# KiCad board HPM6P41_BB.kicad_pcb (continued)
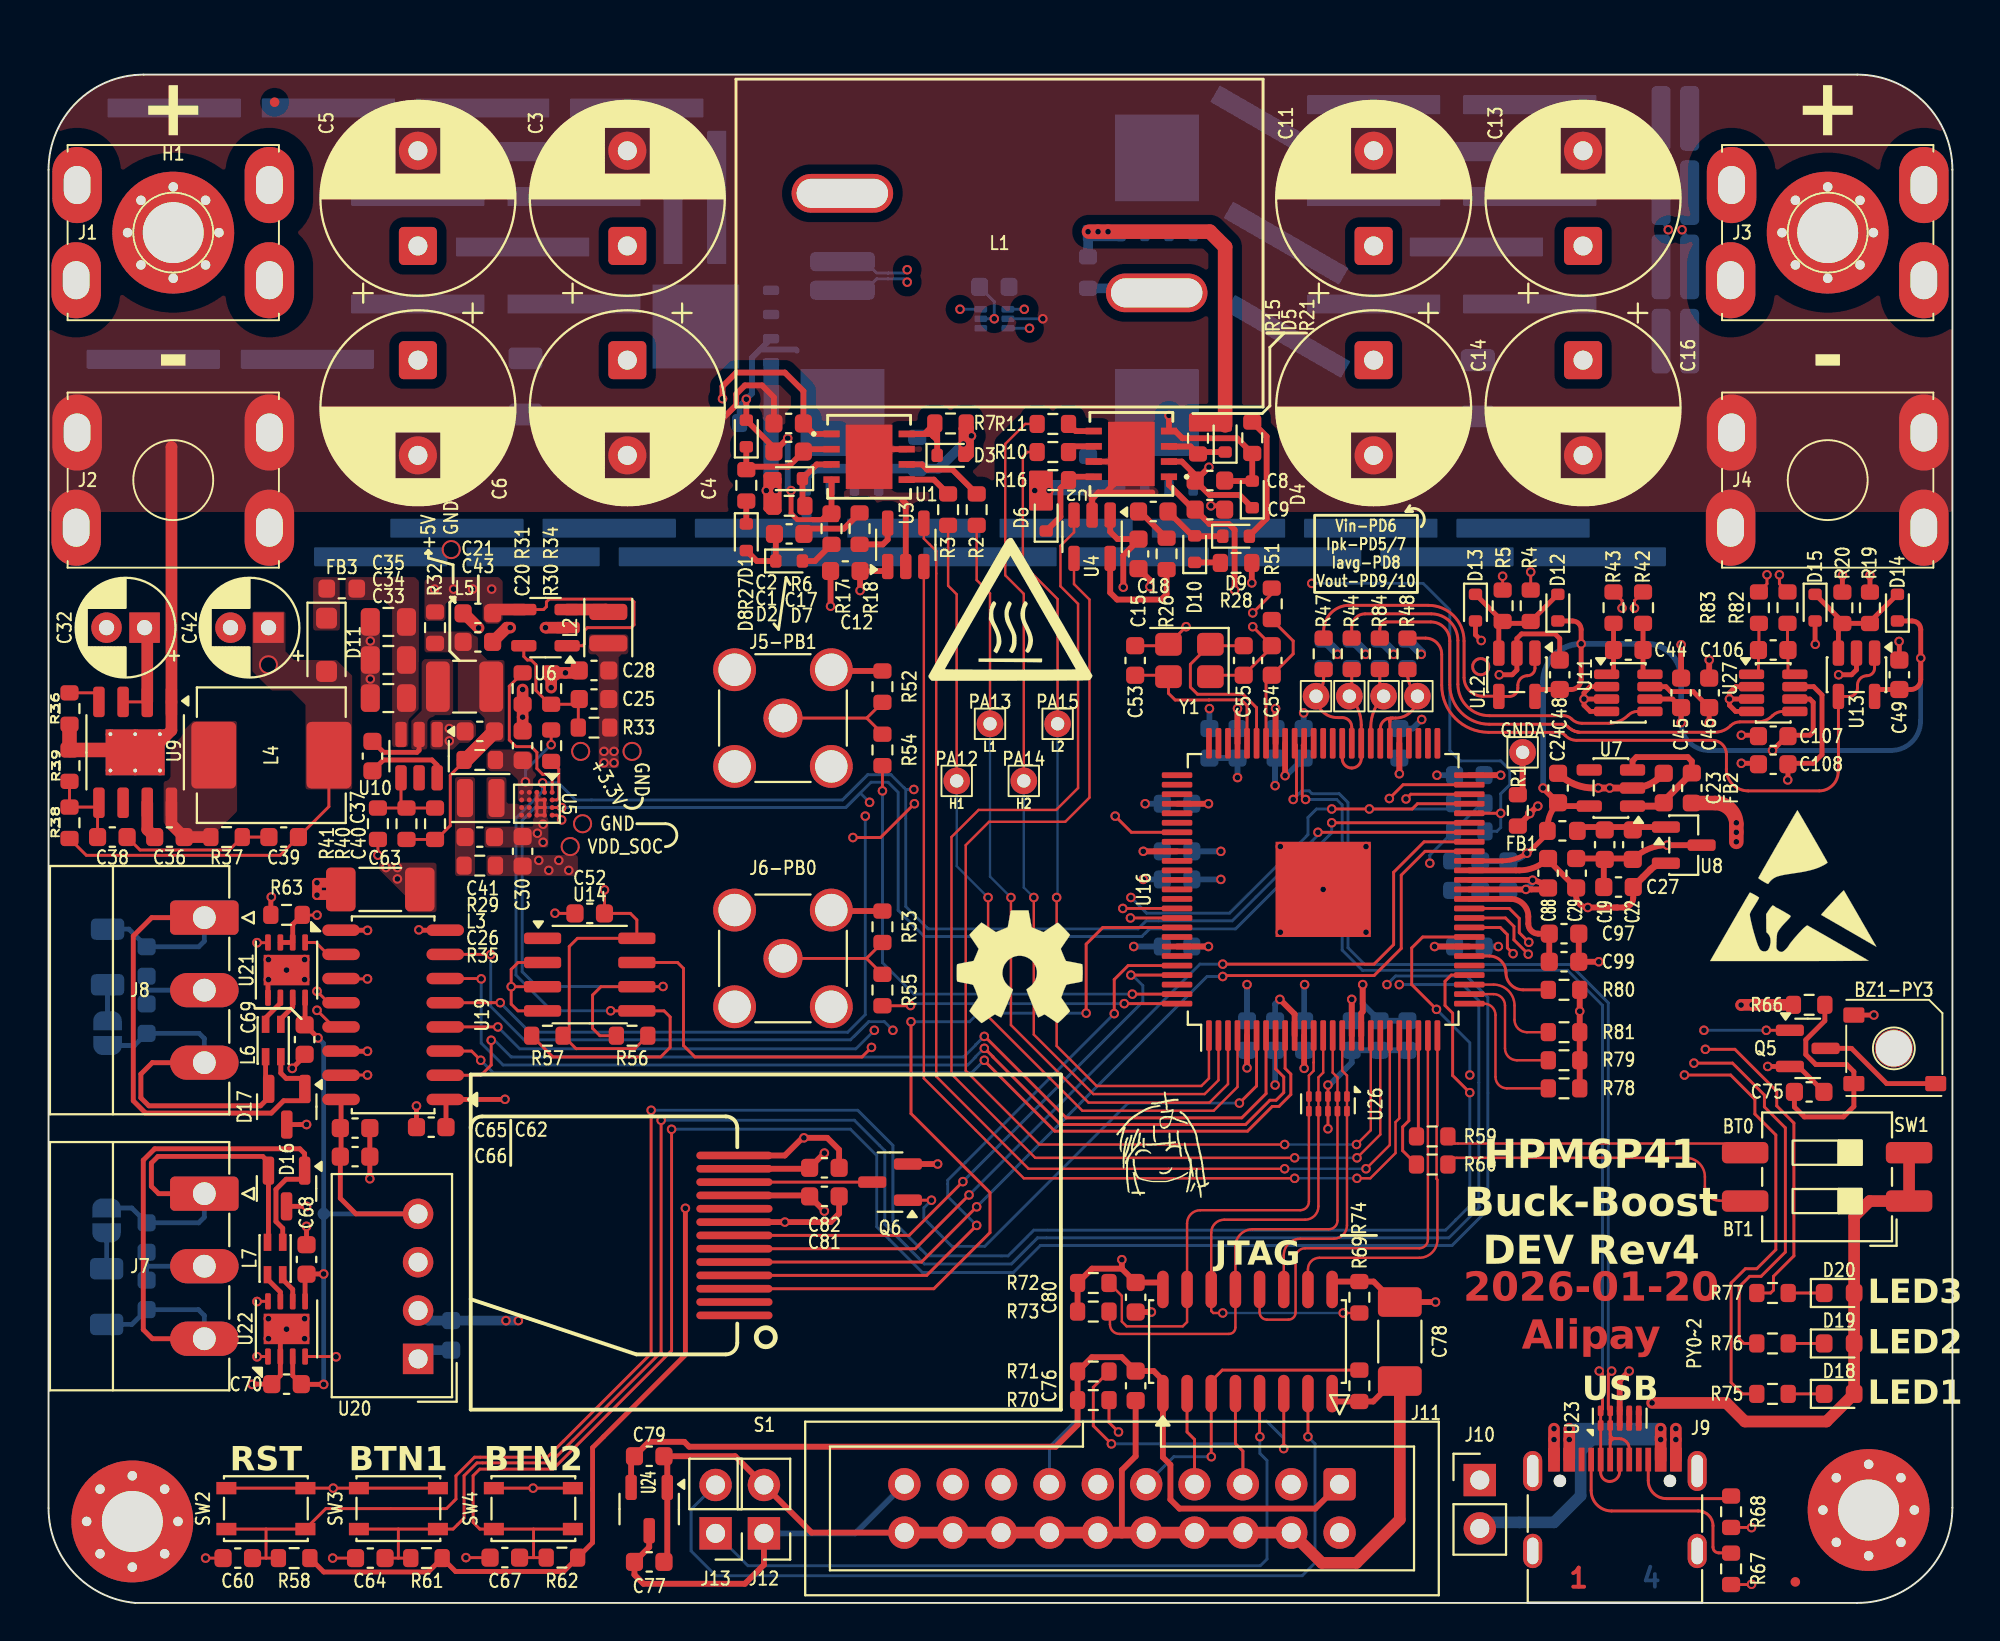
[diagram p0: board, top side]
## Library data of the parts
BZ1-PY3 = -: Description: Buzzer, polarized; ki_fp_filters: *Buzzer*
C1 C2 C8 C9 C12 C15 C17 C18 C25 C33-C41 C43 C52 C57 C60-C62 C64-C76 C80 = -: ki_fp_filters: C_*
C3-C6 C11 C13 C14 C16 C32 C42 = -: ki_fp_filters: CP_*
C7 C10 = -: Datasheet: https://item.szlcsc.com/90812.html?fromZone=s_s__%25221206%252010uF%2522&spm=sc.gb.xh3.zy.n___sc.ols.hd.ss&lcsc_vid=EwRcVFxfQ1UNUlxUFlcKAVVURlQMUgEHFFIPVlIDRgcxVlNSQVBfUlJSTlhWXjsOAxUeFF5JWA4cAwEUWRIUCwcVFE8NCAlJGgQDBQEUWA4cAwEUWA0HFBBIHxUDCw%3D%3D; Description: C89632; 型号: CL31B106KBHNNNE; ki_fp_filters: C_*
C19 C22-C24 C27 C29 C44-C51 C53-C56 C77 C79 C81-C88 C90-C109 = -: Description: Unpolarized capacitor; ki_fp_filters: C_*
C20 C21 C26 C28 C30 = -: Datasheet: C6119868; ki_fp_filters: C_*
C63 C78 = -: Datasheet: https://file.elecfans.com/web2/M00/22/AF/poYBAGGoaTeAQmH1AAyzIp8aHB4719.pdf; Description: Safety Capacitors 1808 1nF ±10% 250V; Manufacturer: IHHEC; Grade: X1,Y2; MFG: IHHEC; MFR Package Code: 1808; Mount: 表面贴装; Operating Temperature: -55 °C; Tolerance: 10 %; packaging: 1000pcs; ki_fp_filters: C_*
D1 D4 = -: Datasheet: https://assets.nexperia.com/documents/data-sheet/BZV55_SER.pdf; Description: 9.1V, 500mW, 2%, Zener diode, MiniMELF; ki_fp_filters: D*MiniMELF*
D2 D3 D5-D10 = -: Datasheet: C3013756; Sim.Device: D; Sim.Pins: 1=K 2=A; ki_fp_filters: TO-???* *_Diode_* *SingleDiode* D_*
D11 = -: Datasheet: https://datasheet.octopart.com/1N4148WF-Lite-On-datasheet-149134326.pdf; Description: SOD-123F Diode, Small Signal, Fast Switching, 75V, 150mA, 4ns, Alternate KiCad Library; ki_fp_filters: TO-???* *_Diode_* *SingleDiode* D_*
D12-D15 = -: Datasheet: https://www.vishay.com/docs/85751/1n4148ws.pdf; Description: 75V 0.15A Fast switching Diode, SOD-323; Sim.Device: D; Sim.Pins: 1=K 2=A; ki_fp_filters: D*SOD?323*
D16 D17 = -: Datasheet: https://www.onsemi.com/pub_link/Collateral/NUP2105L-D.PDF; Description: Dual Line CAN Bus Protector, 24Vrwm; ki_fp_filters: SOT?23*
D18-D20 = -: ki_fp_filters: LED* LED_SMD:* LED_THT:*
FB1-FB3 = -: Description: Ferrite bead; ki_fp_filters: Inductor_* L_* *Ferrite*
FID1 FID2 = -: Description: Fiducial Marker; ki_fp_filters: Fiducial*
GNDA PA12-PA15 TP5 TP7-TP9 = -: Description: test point (alternative probe-style design); ki_fp_filters: Pin* Test*
H1-H4 = -: Description: Mounting Hole with connection; ki_fp_filters: MountingHole*Pad*
J1-J4 = -: Description: Generic connector, single row, 01x01, script generated (kicad-library-utils/schlib/autogen/connector/); ki_fp_filters: Connector*:*_1x??_*
J5-PB1 J6-PB0 = -: Description: small coaxial connector (BNC, SMA, SMB, SMC, Cinch/RCA, LEMO, ...); ki_fp_filters: *BNC* *SMA* *SMB* *SMC* *Cinch* *LEMO* *UMRF* *MCX* *U.FL*
J7 J8 = -: Description: Generic connector, single row, 01x03, script generated (kicad-library-utils/schlib/autogen/connector/); ki_fp_filters: Connector*:*_1x??_*
J9 = -: Datasheet: https://www.usb.org/sites/default/files/documents/usb_type-c.zip; Description: USB 2.0-only 16P Type-C Receptacle connector; ki_fp_filters: USB*C*Receptacle*
J10 J12 J13 = -: Description: Generic connector, single row, 01x02, script generated; ki_fp_filters: Connector*:*_1x??_*
J11 = -: ki_fp_filters: IDC*Header*P2.54mm* PinHeader*2x10*P2.54mm*
JP1 JP2 = -: Description: Solder Jumper, 2-pole, open; ki_fp_filters: SolderJumper*Open*
L1 = -: Datasheet: https://item.taobao.com/item.htm?abbucket=7&detail_redpacket_pop=true&id=720155544714&ltk2=1751571040185qxfzaik8tl8w9ga4al65t&ns=1&priceTId=2150461f17515710174581004e1998&query=%E6%89%81%E7%BA%BF%E7%94%B5%E6%84%9F&skuId=5020784061930&spm=a21n57.1.hoverItem.5&utparam=%7B%22aplus_abtest%22%3A%22408e17028328a63eae2f146e62d6c52f%22%7D&xxc=taobaoSearch; Description: 羰基粉电感 2.2uH 48A; ki_fp_filters: Choke_* *Coil* Inductor_* L_*
L2 L3 = -: Description: Inductor; ki_fp_filters: Choke_* *Coil* Inductor_* L_*
L4 = -: Datasheet: EPC0650-680M   饱和3A，温升1.7A; Description: 羰基粉电感; ki_fp_filters: Choke_* *Coil* Inductor_* L_*
L5 = -: ki_fp_filters: Choke_* *Coil* Inductor_* L_*
L6 L7 = -: Company: TDK
Q1-Q4 = -: Datasheet: http://www.ti.com/lit/gpn/csd18540q5b; Description: 100A Id, 60V Vds, NexFET N-Channel Power MOSFET, 2.2mOhm Ron, 41nC Qg(typ), SON8 5x6mm; ki_fp_filters: TDSON*
Q5 Q6 = -: Datasheet: http://www.aosmd.com/pdfs/datasheet/AO3400A.pdf; Description: 30V Vds, 5.7A Id, N-Channel MOSFET, SOT-23; ki_fp_filters: SOT?23*
R1-R3 R6-R16 R22-R25 R29 R32-R44 R47-R50 R56-R58 R61-R63 R66-R68 R75-R77 R82-R84 = -: ki_fp_filters: R_*
R4 R5 R17-R21 R26-R28 R30 R31 R51 R64 R65 = -: Description: Resistor; ki_fp_filters: R_*
R52-R55 R59 R60 = -: Model: 0402WGF1001TCE; Company: UNI-ROYAL(厚声); ki_fp_filters: R_*
R69-R74 R78-R81 = -: Model: 0402WGF1002TCE; Company: UNI-ROYAL(厚声); ki_fp_filters: R_*
SW1 = -: Model: DM-02-V; Company: 圜达
SW2-SW4 = -: Description: Common 6mmx6mm Push Button
U1 U2 = -: ki_fp_filters: DRM8_3P38X2P45_TEX
U3 U4 = -: Datasheet: https://www.ti.com.cn/cn/lit/ds/symlink/ucc27519.pdf?ts=1747047529320&ref_url=https%253A%252F%252Fwww.ti.com.cn%252Fproduct%252Fcn%252FUCC27519; Description: Single-Channel High-Speed Low-Side Gate Driver With 4-A Peak Source and 8-A Peak Sink, SOT-23-6; ki_fp_filters: SOT?23*
U5 = -: Description: 功能类型:降压型;同步整流:-;输出通道数:-;拓扑结构:-;输入电压:-;输出电流(最大值):-;开关频率:-;; Mpn: SYR838PKC; Manufacturer: Silergy; Input Voltage: 5.5 V; Mount: SMT
U7 = -: Datasheet: http://www.ti.com/lit/ds/symlink/lp5907.pdf; Description: 250-mA Ultra-Low-Noise Low-IQ LDO, 3.3V, SOT-23; ki_fp_filters: SOT?23*
U8 = -: Datasheet: http://www.ti.com/lit/ds/symlink/ref3033.pdf; Description: 3.0V 50-ppm/°C Max, 50-μA, CMOS Voltage Reference, SOT-23-3; ki_fp_filters: SOT?23*
U9 = -: Datasheet: https://www.ti.com/lit/ds/symlink/lm5164.pdf?ts=1598311864250&ref_url=https%253A%252F%252Fwww.ti.com%252Fproduct%252FLM5164%253FHQS%253DTI-null-null-octopart-df-pf-null-wwe; ki_fp_filters: HSOP*1EP*3.9x4.9*P1.27mm*
U10 = -: Datasheet: http://www.ti.com/lit/ds/symlink/tps54302.pdf; ki_fp_filters: SOT?23*
U11 U27 = -: Datasheet: https://www.ti.com/lit/ds/symlink/ina241b.pdf; Description: High- and Low-Side, Bidirectional, Zero-Drift, Current-Sense Amplifier With Enhanced PWM Rejection, 20V/V, ±0.01% Gain Accuracy, ±10 μV Offset Voltage, SOT-23-8; ki_fp_filters: SOT?23*
U12 U13 = -: Datasheet: http://www.ti.com/lit/ds/symlink/opa188.pdf; Description: Zero-Drift, Precision, Low-Noise, Rail-to-Rail Output, 36-V Operational Amplifier, TSOT-23-5; ki_fp_filters: TSOT*23*
U14 = -: Datasheet: http://ww1.microchip.com/downloads/en/DeviceDoc/Atmel-8766-SEEPROM-AT24CS04-08-Datasheet.pdf; Description: I2C Serial EEPROM, 4Kb (512x8) with Unique Serial Number, SO8; ki_fp_filters: SOIC*3.9x4.9mm*P1.27mm*
U15 = -: Datasheet: https://www.ti.com/lit/ds/symlink/tmp112.pdf; Description: Digital Temperature Sensor with I2C/SMBus/Two-wire Interface, 12 bits, ±1°C, one-shot conversion, alert, nist traceable, SOT-563; ki_fp_filters: SOT?563*
U16 = -: Description: eLQFP100
U19 U25 = -: Description: 应用:-;隔离技术:-;是否带电压隔离:-;; Manufacturer: CHIPANALOG
U20 = -: Datasheet: https://www.tracopower.com/products/tme.pdf; Description: 1W DC/DC converter unregulated, 4.5-5.5V input, 5V output voltage, 200mA output, 1kVDC isolation, SIP-4; ki_fp_filters: Converter*DCDC*TRACO*TME*03xxS*05xxS*12xxS*Single*
U21 = -: Datasheet: http://www.icbase.com/pdf/SPX/SPX00480106.pdf; Description: Industrial 3.3V Low Power Half-Duplex RS-485 Transceiver 10Mbps, SOIC-8; ki_fp_filters: SOIC*3.9x4.9mm*P1.27mm*
U22 = -: Datasheet: http://www.nxp.com/docs/en/data-sheet/TJA1049.pdf; Description: High-Speed CAN Transceiver, separate VIO, standby mode, SOIC-8; ki_fp_filters: SOIC*3.9x4.9mm*P1.27mm*
U23 U26 = -: Datasheet: https://www.ti.com/lit/ds/symlink/tpd4e05u06.pdf; Description: 4-Channel ESD Protection for Super-Speed USB 3.0 Interface, USON-10; ki_fp_filters: USON*2.5x1.0mm*P0.5mm*
U24 = -: Datasheet: https://www.torexsemi.com/file/xc6206/XC6206.pdf; Description: Positive 60-250mA Low Dropout Regulator, Fixed Output, SOT-23; ki_fp_filters: SOT?23?3*
Y1 = -: Datasheet: https://item.szlcsc.com/365641.html?spm=sc.ols.yqj.it1-1&lcsc_vid=EwRcVFxfQ1UNUlxUFlcKAVVURlQMUgEHFFIPVlIDRgcxVlNSQVBfUlJSTlhWXjsOAxUeFF5JWA4cAwEUWRIUCwcVFE8NCAlJGgQDBQEUWA4cAwEUWA0HFBBIHxUDCw%3D%3D; Description: C389789; ki_fp_filters: Crystal*

## Footprints (pads in the part's own frame, mm; a bottom-side part is the same pattern mirrored in y, then rotated)
7x1mm_导流条
  rrect 7x1 smd: 1(0,0)
48A_Connector_PCB_3
  oval 4x2.6 hole 2x1.4: 1(-2.5,5.05) 1(-2.5,-5.05) 1(2.5,5.05) 1(2.5,-5.1)
Buzzer_5020_MetalHole
  rrect 0.8x1.1 smd: 1(1.85,-2.1) 2(1.85,2.2) 3(-1.75,-2.1)
  round 2 hole 1.9: 3(0,0)
BXXXXS-1W隔离电源
  rect 1.6x1.6 hole 1: 1(0,0)
  round 1.6 hole 1: 2(0,-2.54) 3(0,-5.08) 4(0,-7.62)
C_0603_1608Metric
  rrect 0.9x0.95 smd: 1(-0.775,0) 2(0.775,0)
C_0805_2012Metric
  rrect 1x1.45 smd: 1(-0.95,0) 2(0.95,0)
C_1206_3216Metric
  rrect 1.15x1.8 smd: 1(-1.475,0) 2(1.475,0)
C_1808_4520Metric
  rrect 1.55x2.3 smd: 1(-2.075,0) 2(2.075,0)
CA-IS3762HN
  oval 0.602x1.971 smd: 1(-4.445,-2.736) 2(-3.175,-2.736) 3(-1.905,-2.736) 4(-0.635,-2.736) 5(0.635,-2.736) 6(1.905,-2.736) 7(3.175,-2.736) 8(4.445,-2.736) 9(4.445,2.736) 10(3.175,2.736) 11(1.905,2.736) 12(0.635,2.736) 13(-0.635,2.736) 14(-1.905,2.736) 15(-3.175,2.736) 16(-4.445,2.736)
CP_Radial_D5.0mm_P2.00mm
  rect 1.6x1.6 hole 0.8: 1(0,0)
  round 1.6 hole 0.8: 2(2,0)
CP_Radial_D10.0mm_P5.00mm
  rrect 2x2 hole 1: 1(0,0)
  round 2 hole 1: 2(5,0)
Crystal_SMD_3225-4Pin_3.2x2.5mm
  rrect 1.4x1.2 smd: 1(-1.1,-0.85) 2(1.1,-0.85) 3(1.1,0.85) 4(-1.1,0.85)
D_SOD-123F
  rrect 1.1x1.1 smd: 1(-1.4,0) 2(1.4,0)
D_SOD-523
  rrect 0.6x0.7 smd: 1(-0.7,0) 2(0.7,0)
DRM8_3P38X2P45_TEX
  rect 0.85x0.35 smd: 1(-1.975,1.2) 2(-1.975,0.4) 3(-1.975,-0.4) 4(-1.975,-1.2) 5(1.975,-1.2) 6(1.975,-0.4) 7(1.975,0.4) 8(1.975,1.2)
  rect 2.45x3.38 smd: 9(0,0)
Fiducial_0.5mm_Mask1mm
  round 0.5 smd: (0,0)
HSOP-8-1EP_3.9x4.9mm_P1.27mm_EP2.41x3.1mm_ThermalVias
  rrect 0.97x1.25 smd: (-0.6,0.775) (-0.6,-0.775) (0.6,0.775) (0.6,-0.775)
  rrect 1.6x0.6 smd: 1(-2.65,1.905) 2(-2.65,0.635) 3(-2.65,-0.635) 4(-2.65,-1.905) 5(2.65,-1.905) 6(2.65,-0.635) 7(2.65,0.635) 8(2.65,1.905)
  round 0.5 hole 0.2: 9(-0.955,1.3) 9(-0.955,0) 9(-0.955,-1.3) 9(0.955,1.3) 9(0.955,0) 9(0.955,-1.3)
  rect 2.41x3.1 smd: 9(0,0)
  rect 2.41x3.1 smd far side: 9(0,0)
HVSON-8-1EP_3x3mm_P0.65mm_EP1.6x2.4mm
  rrect 0.64x0.97 smd: (-0.4,0.6) (-0.4,-0.6) (0.4,0.6) (0.4,-0.6)
  rrect 0.85x0.3 smd: 1(-1.45,0.975) 2(-1.45,0.325) 3(-1.45,-0.325) 4(-1.45,-0.975) 5(1.45,-0.975) 6(1.45,-0.325) 7(1.45,0.325) 8(1.45,0.975)
  rect 1.6x2.4 smd: 9(0,0)
IDC-Header_2x10_P2.54mm_Vertical
  rrect 1.7x1.7 hole 1: 1(0,0)
  round 1.7 hole 1: 2(2.54,0) 3(0,-2.54) 4(2.54,-2.54) 5(0,-5.08) 6(2.54,-5.08) 7(0,-7.62) 8(2.54,-7.62) 9(0,-10.16) 10(2.54,-10.16) 11(0,-12.7) 12(2.54,-12.7) 13(0,-15.24) 14(2.54,-15.24) 15(0,-17.78) 16(2.54,-17.78) 17(0,-20.32) 18(2.54,-20.32) 19(0,-22.86) 20(2.54,-22.86)
IND_VER2923_COC
  oval 5.334x2.032 hole 4.8x1.524: 1(-8.255,2.615) 2(8.255,-2.615)
L_0603_1608Metric
  rrect 0.875x0.95 smd: 1(-0.787,0) 2(0.787,0)
L_1210_3225Metric
  rrect 1.25x2.65 smd: 1(-1.4,0) 2(1.4,0)
L_Changjiang_FNR252012S
  rrect 0.85x2 smd: 1(-0.825,0) 2(0.825,0)
L_Chilisin_BMRB00060650
  rrect 2.35x3.5 smd: 1(-3.025,0) 2(3.025,0)
LCSC_SW_SPST_PTS810
  rect 1.05x0.65 smd: 1(-2.075,1.075) 1(2.075,1.075) 2(-2.075,-1.075) 2(2.075,-1.075)
LED_0603_1608Metric
  rrect 0.875x0.95 smd: 1(-0.788,0) 2(0.788,0)
LQFP-100_14x14mm_P0.5mm_EP5.0x5.0mm
  rrect 1.13x1.13 smd: (-1.7,0) (-1.7,1.7) (-1.7,-1.7) (0,1.7) (0,0) (0,-1.7) (1.7,1.7) (1.7,-1.7) (1.7,0)
  rrect 1.6x0.3 smd: 1(-7.675,6) 2(-7.675,5.5) 3(-7.675,5) 4(-7.675,4.5) 5(-7.675,4) 6(-7.675,3.5) 7(-7.675,3) 8(-7.675,2.5) 9(-7.675,2) 10(-7.675,1.5) 11(-7.675,1) 12(-7.675,0.5) 13(-7.675,0) 14(-7.675,-0.5) 15(-7.675,-1) 16(-7.675,-1.5) 17(-7.675,-2) 18(-7.675,-2.5) 19(-7.675,-3) 20(-7.675,-3.5) 21(-7.675,-4) 22(-7.675,-4.5) 23(-7.675,-5) 24(-7.675,-5.5) 25(-7.675,-6) 51(7.675,-6) 52(7.675,-5.5) 53(7.675,-5) 54(7.675,-4.5) 55(7.675,-4) 56(7.675,-3.5) 57(7.675,-3) 58(7.675,-2.5) 59(7.675,-2) 60(7.675,-1.5) 61(7.675,-1) 62(7.675,-0.5) 63(7.675,0) 64(7.675,0.5) 65(7.675,1) 66(7.675,1.5) 67(7.675,2) 68(7.675,2.5) 69(7.675,3) 70(7.675,3.5) 71(7.675,4) 72(7.675,4.5) 73(7.675,5) 74(7.675,5.5) 75(7.675,6)
  rrect 0.3x1.6 smd: 26(-6,-7.675) 27(-5.5,-7.675) 28(-5,-7.675) 29(-4.5,-7.675) 30(-4,-7.675) 31(-3.5,-7.675) 32(-3,-7.675) 33(-2.5,-7.675) 34(-2,-7.675) 35(-1.5,-7.675) 36(-1,-7.675) 37(-0.5,-7.675) 38(0,-7.675) 39(0.5,-7.675) 40(1,-7.675) 41(1.5,-7.675) 42(2,-7.675) 43(2.5,-7.675) 44(3,-7.675) 45(3.5,-7.675) 46(4,-7.675) 47(4.5,-7.675) 48(5,-7.675) 49(5.5,-7.675) 50(6,-7.675) 76(6,7.675) 77(5.5,7.675) 78(5,7.675) 79(4.5,7.675) 80(4,7.675) 81(3.5,7.675) 82(3,7.675) 83(2.5,7.675) 84(2,7.675) 85(1.5,7.675) 86(1,7.675) 87(0.5,7.675) 88(0,7.675) 89(-0.5,7.675) 90(-1,7.675) 91(-1.5,7.675) 92(-2,7.675) 93(-2.5,7.675) 94(-3,7.675) 95(-3.5,7.675) 96(-4,7.675) 97(-4.5,7.675) 98(-5,7.675) 99(-5.5,7.675) 100(-6,7.675)
  rect 5x5 smd: 101(0,0)
MountingHole_3.2mm_M3_Pad_Via
  round 0.8 hole 0.5: 1(-2.4,0) 1(-1.697,1.697) 1(-1.697,-1.697) 1(0,2.4) 1(0,-2.4) 1(1.697,1.697) 1(1.697,-1.697) 1(2.4,0)
  round 6.4 hole 3.2: 1(0,0)
PhoenixContact_MC_1,5_3-G-3.81_1x03_P3.81mm_Horizontal
  rrect 1.8x3.6 hole 1.2: 1(0,0)
  oval 1.8x3.6 hole 1.2: 2(3.81,0) 3(7.62,0)
PinHeader_1x02_P2.54mm_Vertical
  rect 1.7x1.7 hole 1: 1(0,0)
  round 1.7 hole 1: 2(0,-2.54)
R_0603_1608Metric
  rrect 0.8x0.95 smd: 1(-0.825,0) 2(0.825,0)
R_0612_1632Metric
  rrect 1x3.4 smd: 1(-0.75,0) 2(0.75,0)
R_1206_3216Metric
  rrect 1.125x1.75 smd: 1(-1.462,0) 2(1.462,0)
SDCW2012-2-900TF
  rect 0.9x0.4 smd: 1(-0.85,-0.4) 2(-0.85,0.4) 3(0.85,0.4) 4(0.85,-0.4)
SMA_Amphenol_901-144_Vertical
  round 2.05 hole 1.5: 1(0,0)
  round 2.25 hole 1.7: 2(-2.54,2.54) 2(-2.54,-2.54) 2(2.54,2.54) 2(2.54,-2.54)
SOIC-8_3.9x4.9mm_P1.27mm
  rrect 1.95x0.6 smd: 1(-2.475,1.905) 2(-2.475,0.635) 3(-2.475,-0.635) 4(-2.475,-1.905) 5(2.475,-1.905) 6(2.475,-0.635) 7(2.475,0.635) 8(2.475,1.905)
SolderJumper-2_P1.3mm_Open_RoundedPad1.0x1.5mm
  custom 1x1.5 smd: 1(-0.65,0) 2(0.65,0)
SOT-23
  rrect 1.475x0.6 smd: 1(-0.938,0.95) 2(-0.938,-0.95) 3(0.938,0)
SOT-23-3
  rrect 1.325x0.6 smd: 1(-1.137,0.95) 2(-1.137,-0.95) 3(1.137,0)
SOT-23-5
  rrect 1.325x0.6 smd: 1(-1.137,0.95) 2(-1.137,0) 3(-1.137,-0.95) 4(1.137,-0.95) 5(1.137,0.95)
SOT-23-6
  rrect 1.325x0.6 smd: 1(-1.137,0.95) 2(-1.137,0) 3(-1.137,-0.95) 4(1.137,-0.95) 5(1.137,0) 6(1.137,0.95)
SOT-23-8
  rrect 1.325x0.5 smd: 1(-1.137,0.975) 2(-1.137,0.325) 3(-1.137,-0.325) 4(-1.137,-0.975) 5(1.137,-0.975) 6(1.137,-0.325) 7(1.137,0.325) 8(1.137,0.975)
SOT-563
  rrect 0.675x0.35 smd: 1(-0.713,0.5) 2(-0.713,0) 3(-0.713,-0.5) 4(0.713,-0.5) 5(0.713,0) 6(0.713,0.5)
SW_DIP_SPSTx02_Slide_6.7x6.64mm_W8.61mm_P2.54mm_LowProfile
  rrect 2.44x1.12 smd: 1(-4.305,1.27) 2(-4.305,-1.27) 3(4.305,-1.27) 4(4.305,1.27)
SYR838PKC
  round 0.26 smd: A1(-0.8,-0.6) A2(-0.8,-0.2) A3(-0.8,0.2) A4(-0.8,0.6) B1(-0.4,-0.6) B2(-0.4,-0.2) B3(-0.4,0.2) B4(-0.4,0.6) C1(0,-0.6) C2(0,-0.2) C3(0,0.2) C4(0,0.6) D1(0.4,-0.6) D2(0.4,-0.2) D3(0.4,0.2) D4(0.4,0.6) E1(0.8,-0.6) E2(0.8,-0.2) E3(0.8,0.2) E4(0.8,0.6)
TDSON-8-1
  rrect 1.5x1.5 smd: (-0.2,-0.85) (-0.2,0.85) (1.5,-0.85) (1.5,0.85)
  custom 4.55x4.41 smd: (0.65,0)
  rrect 0.75x0.5 smd: (2.905,-1.905) (2.905,-0.635) (2.905,0.635) (2.905,1.905)
  rrect 0.85x0.5 smd: 1(-2.9,1.905) 2(-2.9,0.635) 3(-2.9,-0.635) 4(-2.9,-1.905)
  rect 4.55x4.41 smd: 5(1.05,0)
TSOT-23-5
  rrect 1.325x0.6 smd: 1(-1.137,0.95) 2(-1.137,0) 3(-1.137,-0.95) 4(1.137,-0.95) 5(1.137,0.95)
USB_C_16P_On_Board
  round 0.65 hole 0.65 unplated: (-2.89,2.605) (2.89,2.605)
  rect 0.6x1.24 smd: A1(-3.2,3.725) A4(-2.4,3.725) A9(2.4,3.725) A12(3.2,3.725) B1(3.2,3.725) B4(2.4,3.725) B9(-2.4,3.725) B12(-3.2,3.725)
  rect 0.3x1.24 smd: A5(-1.25,3.725) A6(-0.25,3.725) A7(0.25,3.725) A8(1.25,3.725) B5(1.75,3.725) B6(0.75,3.725) B7(-0.75,3.725) B8(-1.75,3.725)
  oval 1x2.1 hole 0.6x1.7: S1(-4.32,3.125) S1(4.32,3.125)
  oval 1x1.8 hole 0.6x1.4: S1(-4.32,-1.075) S1(4.32,-1.075)
USON-10_2.5x1.0mm_P0.5mm
  rrect 0.55x0.3 smd: 1(-0.385,1) 2(-0.385,0.5) 3(-0.385,0) 4(-0.385,-0.5) 5(-0.385,-1) 6(0.385,-1) 7(0.385,-0.5) 8(0.385,0) 9(0.385,0.5) 10(0.385,1)
测试点
  round 1.4 hole 0.7: 1(0,0)
焊接式_TFT_1.14_135X240_13PIN
  oval 4x0.399 smd: 1(-1.65,-3.85) 2(-1.65,-3.15) 3(-1.65,-2.451) 4(-1.65,-1.75) 5(-1.65,-1.049) 6(-1.65,-0.35) 7(-1.65,0.35) 8(-1.65,1.049) 9(-1.65,1.75) 10(-1.65,2.451) 11(-1.65,3.15) 12(-1.65,3.85) 13(-1.65,4.549)

## Nets
5V_OUT: C40.1 C41.1 C43.1 L5.2 R29.1 R32.1 R40.1
+3.3V: C25.1 C28.1 C52.2 C56.1 C57.2 C62.2 C80.2 C81.1 C82.1 C83.1 C101.1 C102.1 C103.1 C104.1 C105.1 D18.2 D19.2 D20.2 L2.1 R33.1 R49.2 R50.2 R56.2 R57.2 R58.1 R61.1 R62.1 R72.1 R73.1 S1.10 S1.12 SW1.1 SW1.2 U14.8 U15.5 U16.10 U16.16 U16.32 U16.55 U16.67 U16.79 U16.94 U19.1 U25.16
+5V: C21.1 C61.1 FB2.1 J10.1 R32.2 R51.2 R66.1 U6.1 U6.4 U20.2
+5VC: C65.2 C66.1 C68.2 C69.2 C70.2 U19.16 U20.4 U21.8 U22.3 U22.5
/MCU_MISC2/5V_SUPPLY: C77.1 J11.19 J12.1 U24.3
GND: BZ1-PY3.3 C2.2 C3.2 C4.2 C5.2 C6.2 C7.2 C9.2 C10.2 C11.2 C12.2 C13.2 C14.2 C15.2 C16.2 C20.2 C21.2 C26.2 C28.2 C30.2 C32.2 C33.2 C34.2 C35.2 C41.2 C42.2 C43.2 C52.1 C53.2 C54.2 C55.2 C56.2 C57.1 C60.1 C61.2 C62.1 C63.2 C64.1 C67.1 C75.2 C78.1 C80.1 C81.2 C82.2 C83.2 C87.2 C90.2 C91.2 C92.2 C93.2 C94.2 C95.2 C96.2 C97.2 C98.2 C99.2 C100.2 C101.2 C102.2 C103.2 C104.2 C105.2 H3.1 H4.1 J2.1 J4.1 J5-PB1.2 J6-PB0.2 J9.A1 J9.A12 J9.B1 J9.B12 J9.S1 Q2.1 Q2.2 Q2.3 Q4.1 Q4.2 Q4.3 Q5.2 Q6.2 R1.2 R5.2 R9.1 R14.1 R20.2 R31.1 R34.2 R36.1 R39.1 R41.2 R52.1 R53.1 R67.2 R68.2 R74.1 R78.2 R79.2 R80.2 R81.2 REF**#5.1 REF**#12.1 REF**#14.1 REF**#16.1 REF**#17.1 REF**#18.1 REF**#19.1 REF**#20.1 REF**#25.1 REF**#27.1 REF**#28.1 REF**#29.1 REF**#31.1 REF**#32.1 REF**#34.1 REF**#39.1 REF**#44.1 S1.8 S1.13 SW2.1 SW3.1 SW4.1 U1.7 U1.9 U2.7 U2.9 U3.2 U4.2 U5.B2 U5.B3 U5.B4 U5.C1 U5.C2 U5.C3 U5.C4 U6.2 U9.1 U9.9 U10.1 U14.2 U14.3 U14.4 U15.2 U15.4 U16.101 U19.8 U20.1 U23.3 U23.8 U25.9 U26.3 U26.8 Y1.2 Y1.4
GNDA: C19.2 C22.2 C23.2 C24.2 C27.2 C29.2 C45.2 C46.2 C47.2 C48.2 C49.2 C50.2 C51.2 C84.2 C85.2 C86.2 C88.2 C107.2 C108.2 C109.2 D13.2 D15.2 GNDA.1 R1.1 U7.2 U8.3 U11.2 U11.3 U11.4 U12.2 U13.2 U16.38 U16.39 U27.2 U27.3 U27.4
VBUS: J9.A4 J9.A9 J9.B4 J9.B9 J10.2 U23.4 U23.5 U23.6 U23.7
VDD_SOC: C30.1 C87.1 C90.1 C91.1 C92.1 C94.1 C96.1 C98.1 C100.1 R35.2 U5.A4 U16.5 U16.11 U16.50 U16.68 U16.72 U16.84
VIN: C3.1 C4.1 C5.1 C6.1 C7.1 C32.1 H1.1 J1.1 Q1.5 R4.1 REF**#4.1 REF**#6.1 REF**#7.1 REF**#8.1 REF**#10.1 REF**#11.1 REF**#22.1 REF**#26.1 REF**#33.1 REF**#36.1 REF**#37.1 REF**#40.1 REF**#43.1 REF**#45.1 U9.2 U9.3
/BB/G1: D2.2 Q1.4 R6.2 R8.2
/BB/G2: D3.2 Q2.4 R7.2 R9.2
/BB/G3: D5.2 Q3.4 R13.2 R15.2
/BB/G4: D6.2 Q4.4 R14.2 R16.2
/BB/InputVsense+: D12.2 D13.1 R4.2 R5.1 U12.3
/BB/ISENSE2+: C10.1 C11.1 C13.1 C14.1 C16.1 Q3.5 R22.1 R23.1 R24.1 R25.1 R83.1 REF**#9.1 REF**#13.1 REF**#15.1 REF**#21.1 REF**#23.1 REF**#24.1 REF**#30.1 REF**#35.1 REF**#38.1 REF**#41.1 REF**#42.1
/BB/OutputVsense+: D14.2 D15.1 R19.2 R20.1 U13.3
/BB/S3: C8.2 D4.2 L1.2 Q3.1 Q3.2 Q3.3 Q4.5 R13.1 R21.2 U2.4
/ISENSE+: C1.2 D1.2 Q1.1 Q1.2 Q1.3 Q2.5 R8.1 R12.1 R17.2 R43.1 U1.4
/ISENSE-: L1.1 R12.2 R42.1
/J_TCK: R74.2 U16.13 U25.14 U26.4 U26.7
/J_TDI: R73.2 U16.14 U25.13 U26.2 U26.9
/J_TDO: U16.15 U25.11 U26.1 U26.10
/J_TMS: R72.2 U16.12 U25.15 U26.5 U26.6
/MCU_MISC2/CON_RX: J13.1 U25.5
/MCU_MISC2/CON_TCK: J11.9 R69.2 U25.3
/MCU_MISC2/CON_TDI: J11.5 R71.2 U25.4
/MCU_MISC2/CON_TDO: J11.13 U25.6
/MCU_MISC2/CON_TMS: J11.7 R70.2 U25.2
/MCU_MISC2/CON_TX: J13.2 U25.7
/MCU_MISC/485_DE_ISO: R63.2 U19.13 U21.2 U21.3
/MCU_MISC/485_RX_ISO: U19.10 U21.1
/MCU_MISC/485_TX_ISO: U19.12 U21.4
/MCU_MISC/CAN_RXD_ISO: U19.11 U22.4
/MCU_MISC/CAN_STBY_ISO: U19.14 U22.8
/MCU_MISC/CAN_TXD_ISO: U19.15 U22.1
/MCU_MISC/RESETN: C60.2 R58.2 SW2.2 U16.29
/MCU_MISC/WAKEUP: U16.30
/MCU_MISC/XTALI: C53.1 U16.71 Y1.3
/MCU_MISC/XTALO: C55.1 U16.70 Y1.1
/PA0: U16.25 U25.10
/PA1: U16.24 U25.12
/PA2: R59.2 U16.23
/PA3: R60.2 U16.22
/PA8: U16.9 U19.3
/PA9: U16.8 U19.6
/PA10: U16.7 U19.2
/PA11: Q6.1 U16.6
/PA12: PA12.1 R3.2 U16.4
/PA13: PA13.1 R2.2 U16.3
/PA14: PA14.1 R11.2 U16.2
/PA15: PA15.1 R10.2 U16.1
/PA16: U3.3 U16.21
/PA17: U3.4 U16.20
/PA18: U4.3 U16.19
/PA19: U4.4 U16.18
/PB0: R55.2 U16.100
/PB1: R54.2 U16.99
/PB2: U16.98
/PB3: S1.7 U16.97
/PB4: S1.4 U16.96
/PB5: U16.95
/PB12: U16.93
/PB13: S1.3 U16.92
/PB14: U16.91 U19.7
/PB15: U16.90 U19.4
/PB16: U16.89
/PB17: U16.88
/PB18: U16.87
/PB19: U16.86
/PB20: U16.85
/PC12: U16.83
/PC13: U16.82 U19.5
/PC14: U16.81
/PC15: U16.80
/PC16: U16.78
/PC17: U16.77
/PC18: U16.76
/PC19: U16.75
/PC20: U16.74
/PC21: U16.73
/PD2: U16.64
/PD3: U16.63
/PD4: U16.62
/PD5: C47.1 R44.2 TP5.1 U16.59 U16.61
/PD6: C50.1 R47.2 TP9.1 U16.60
/PD8: C109.1 R84.2 TP7.1 U16.58
/PD10: C51.1 R48.2 TP8.1 U16.56 U16.57
/PD16: U16.54
/PD17: U16.53
/PD18: U16.52
/PD19: U16.51
/PD20: C67.2 R62.2 SW4.2 U16.49
/PD21: C64.2 R61.2 SW3.2 U16.48
/PD22: R49.1 U14.7 U16.47
/PD23: R50.1 U15.3 U16.46
/PD24: R56.1 U5.A3 U14.6 U15.1 U16.45
/PD25: R57.1 U5.B1 U14.5 U15.6 U16.44
/PD26: S1.6 U16.43
/PD27: S1.5 U16.42
/PY0: R75.1 U16.33
/PY1: R76.1 U16.34
/PY2: R77.1 U16.35
/PY3: Q5.1 U16.36
CP_S1: C1.1 D1.1 R27.1 U1.2
CP_S3: C8.1 D4.1 R28.1 U2.2
ISO_GND: C76.1 C77.2 C78.2 C79.2 J11.4 J11.6 J11.8 J11.10 J11.12 J11.14 J11.16 J11.18 J11.20 J12.2 R69.1 U24.1 U25.8
ISO_GNDC: C63.1 C65.1 C66.2 C68.1 C69.1 C70.1 C71.1 C72.2 C73.1 C74.2 D16.3 D17.3 J7.2 J8.2 R63.1 U19.9 U20.3 U21.5 U21.9 U22.2 U22.9
USB_DN: J9.A7 J9.B7 U16.65 U23.1 U23.10
USB_DP: J9.A6 J9.B6 U16.66 U23.2 U23.9
VANA: C24.1 C45.1 C48.1 C49.1 C84.1 C85.1 C86.1 C107.1 D12.1 D14.1 FB1.1 U7.5 U11.6 U12.5 U13.5 U16.41 U27.6
Vdrv: C2.1 C9.1 C12.1 C15.1 C39.1 C42.1 D11.2 L4.2 R38.2 U1.1 U2.1 U3.1 U4.1
VOUT: H2.1 J3.1 R19.1 R22.2 R23.2 R24.2 R25.2 R82.1
VREFH: C27.1 C29.1 C46.1 C88.1 C108.1 U8.2 U11.7 U16.40 U27.7
VTREF: C76.2 C79.1 J11.1 R70.1 R71.1 U24.2 U25.1
Net-(BZ1-+): BZ1-PY3.1 C75.1 R66.2
Net-(BZ1--): BZ1-PY3.2 Q5.3
Net-(C17-Pad2): C17.2 R18.1
Net-(C18-Pad2): C18.2 R26.1
Net-(C20-Pad1): C20.1 R29.2 R30.1 U5.D1 U5.D2 U5.E1 U5.E2
Net-(C26-Pad1): C26.1 L3.1 R35.1
Net-(C38-Pad1): C38.1 C39.2 R37.2
Net-(D2-K): D2.1 R6.1 U1.3
Net-(D3-K): D3.1 R7.1 U1.8
Net-(D5-K): D5.1 R15.1 U2.3
Net-(D6-K): D6.1 R16.1 U2.8
Net-(D7-A): D7.2 R17.1
Net-(D7-K): C17.1 D7.1 D8.2
Net-(D8-K): D8.1 R27.2
Net-(D9-A): D9.2 R21.1
Net-(D10-A): C18.1 D9.1 D10.2
Net-(D10-K): D10.1 R28.2
Net-(D11-K): D11.1 FB3.1
Net-(D18-K): D18.1 R75.2
Net-(D19-K): D19.1 R76.2
Net-(D20-K): D20.1 R77.2
Net-(J5-In): J5-PB1.1 R52.2 R54.1
Net-(J6-In): J6-PB0.1 R53.2 R55.1
Net-(J7-Pin_1): C71.2 D16.2 J7.1 JP2.1 L7.3
Net-(J7-Pin_3): C72.1 D16.1 J7.3 L7.4 R65.1
Net-(J8-Pin_1): C74.1 D17.1 J8.1 L6.3 R64.1
Net-(J8-Pin_3): C73.2 D17.2 J8.3 JP1.1 L6.4
Net-(J9-CC1): J9.A5 R67.1
Net-(J9-CC2): J9.B5 R68.1
Net-(JP1-B): JP1.2 R64.2
Net-(JP2-B): JP2.2 R65.2
Net-(L3-Pad2): L3.2 U5.D3 U5.D4 U5.E3 U5.E4
Net-(Q6-D): Q6.3 S1.11
Net-(R44-Pad1): R44.1 U11.5
Net-(R84-Pad1): R84.1 U27.5
Net-(SW1-PIN3): R59.1 SW1.3
Net-(SW1-PIN4): R60.1 SW1.4
Net-(U1-HI): R3.1 U1.5
Net-(U1-LI): R2.1 U1.6
Net-(U2-HI): R11.1 U2.5
Net-(U2-LI): R10.1 U2.6
Net-(U3-OUT): R18.2 U3.5
Net-(U4-OUT): R26.2 U4.5
Net-(U5-EN): R30.2 U5.A2
Net-(U5-VSEL): R31.2 U5.A1
Net-(U6-FB): C25.2 R33.2 R34.1 U6.5
Net-(U6-LX): L2.2 U6.3
Net-(U7-EN): C23.1 FB2.2 U7.1 U7.3
Net-(U8-IN): C19.1 C22.1 FB1.2 U8.1
Net-(U9-BST): C36.2 U9.7
Net-(U9-FB): C38.2 R38.1 R39.2 U9.5
Net-(U9-RON): R36.2 U9.4
Net-(U9-SW): C36.1 L4.1 R37.1 U9.8
Net-(U10-BOOT): C37.1 U10.6
Net-(U10-FB): C40.2 R40.2 R41.1 U10.4
Net-(U10-SW): C37.2 L5.1 U10.2
Net-(U10-VIN): C33.1 C34.1 C35.1 FB3.2 U10.3
Net-(U11-+): C44.1 R42.2 U11.8
Net-(U11--): C44.2 R43.2 U11.1
Net-(U12--): R47.1 U12.1 U12.4
Net-(U13--): R48.1 U13.1 U13.4
Net-(U16A-DCDC_GND): R81.1 U16.28
Net-(U16A-DCDC_IN): R78.1 U16.26
Net-(U16A-DCDC_LP): R79.1 U16.27
Net-(U16A-DCDC_SNS): R80.1 U16.31
Net-(U16B-OTPCAP): C93.1 C95.1 U16.17
Net-(U16B-VPMCCAP): C97.1 C99.1 U16.37
Net-(U16F-VBUS): C54.1 R51.1 U16.69
Net-(U21-A): L6.1 U21.6
Net-(U21-B): L6.2 U21.7
Net-(U22-CANH): L7.2 U22.7
Net-(U22-CANL): L7.1 U22.6
Net-(U27-+): C106.1 R82.2 U27.8
Net-(U27--): C106.2 R83.2 U27.1

Pads without a net: J9 A8 B8; J11 2 3 11 15 17; S1 1 2 9; U7 4; U9 6; U10 5; U14 1

## Via types
v1: diameter 0.5, hole 0.3, Top to Bottom, 278 vias
v2: diameter 1, hole 0.8, Top to Bottom, 7 vias
v3: diameter 0.508, hole 0.305, Top to Bottom, 30 vias
v4: diameter 1, hole 0.7, Top to Bottom, 1 via

## Routing (per net, layer and track width the routed paths; a pad name or vN(x,y) marks a point on that pad's centre or on a via; arc(x,y) is an arc through that point)
5V_OUT: length 8.6
  Top w0.152: R29.1 21.83,44.2 21.1,43.48 21.1,40.83 20.38,40.11 C40.1 R40.1
  Top w0.762: C41.1 21.93,44.28 R29.1
+3.3V: length 197.4
  Top w0.152: v1(42.25,40.2) 43.7,40.2 v1(45.48,41.98) ; v1(29.2,37.45) C52.2 30.56,36.22 30.9,35.88 U14.8 27.78,34.91 27.35,34.48 27.35,30.12 R57.2 27.7,29.12 30.8,29.12 R56.2
  Top w0.254: C62.2 20.87,26.41 U19.1 23.97,26.45 v1(23.98,26.45) ; v1(33.45,20.73) 33.45,13.03 28.58,8.16 28.58,3.17 R62.1 27.06,1.65 21.38,1.65 R61.1 19.95,1.62 14.46,1.62 R58.1
  Top w0.305: U16.94 v1(60.93,34.48) ; U16.55 v1(70.95,43.56) ; U16.67 v1(64.95,43.45) ; 56.37,17.56 56.37,17.57 56.38,17.58 v1(56.38,18.03) ; 56.37,17.56 54.81,17.56 R72.1 R73.1 ; 56.37,17.56 C80.2 58.53,16.83 ; S1.12 39.93,22.81 arc(39.96,22.82) 39.98,22.86 v1(40.75,23.63) ; v1(64.68,31.7) 65.45,30.93 U16.10 ; v1(72.8,34.48) 74.62,34.48 ; S1.10 39.92,21.41 arc(39.96,21.39) 39.98,21.36 v1(40.75,20.58) ; v1(68.45,31.7) U16.16 ; U16.79 v1(60.93,41.98)
  Top w0.61: v1(84.22,10.5) 88.12,10.5 89.1,9.53 93.39,9.53 D18.2 D20.2 94.84,20.29 95.66,21.11 SW1.1 SW1.2
  In2.Cu w0.152: 26.55,37.45 26.21,37.45 arc(26.02,37.49) 25.85,37.61 ; 26.55,37.45 v1(29.2,37.45) ; 26.55,37.45 arc(26.39,37.42) 26.25,37.33 ; v1(45.48,41.98) 45.93,42.43 45.93,42.93 45.75,43.11 45.75,47.18 46.43,47.86 61.75,47.86 65.78,51.88 65.78,64.73 64.25,66.25 50.87,66.25 v1(49.67,67.45) ; 26.3,37.23 arc(26.36,37.39) 26.53,37.45
  In2.Cu w0.254: v1(23.98,26.45) 24.43,26.91 ; 24.43,26.91 25.08,27.56 ; 24.43,26.91 arc(24.67,27.07) 24.97,27.13 ; 24.43,26.91 arc(24.59,27.15) 24.65,27.45
  Bottom w0.152: R49.2 75.28,42 R50.2 72.55,39.28 v1(72.55,38.86) ; U15.5 v1(49.67,67.45) 49.67,68.36 C57.2
  Bottom w0.305: C102.1 v1(68.45,31.7) ; C56.1 65,43.45 v1(64.95,43.45) ; C101.1 64.43,31.45 v1(64.68,31.7) ; v1(60.93,34.48) C104.1 ; v1(70.95,43.56) C105.1 ; v1(60.93,41.98) C103.1 ; C83.1 v1(72.8,34.48)
  vias: v1(29.18,44.73) v1(29.18,44.13) v1(29.7,44.73) v1(29.7,44.13) v2(27.95,44.73)
+5V: length 68.1
  Top w0.152: U6.1 28.05,50.28 28.15,50.38 28.15,51.08 28.3,51.23 30.6,51.23 30.75,51.38 30.75,52.58 30.6,52.73 26.3,52.73 26.15,52.58 26.15,52.33 26,52.18 U6.4 ; R51.2 64.25,53 v1(63.25,52)
  Top w0.61: v1(88.9,31.41) 88.91,31.42 v1(89.47,31.42) R66.1 ; U6.4 23.2,52.18
  Top w0.762: FB2.1 87.54,42.02 arc(88.32,41.69) 88.65,40.91 v1(88.65,40.48) v1(88.65,39.98)
  In2.Cu w0.152: v1(23.28,53.25) 35.25,53.25 36.75,51.75 63,51.75 v1(63.25,52)
  Bottom w0.508: v1(24.68,14.83) v1(24.03,14.83) C61.1 19.94,14.83 U20.2
  vias: v1(20.28,53.25) v1(21.28,53.25) v1(22.28,53.25) v1(88.65,40.98)
+5VC: length 40.5
  Top w0.254: v3(14.15,29.68) 13.46,30.37 C69.2 13.48,30.39 13.48,31.79 ; 13.48,15.84 13.48,17.19 C68.2 13.56,17.28 v3(14.45,17.28) ; v3(14.45,11.48) 13.29,11.48 C70.2 12.83,11.94 U22.3 ; U19.16 15.36,23.48 C66.1 15.33,21.25 16.14,20.44 U20.4
  Bottom w0.254: v3(14.45,11.48) v3(14.45,17.28) 14.45,20.44 ; 14.45,20.44 U20.4 ; 14.45,20.44 14.45,29.38 v3(14.15,29.68)
/MCU_MISC2/5V_SUPPLY: length 20.1
  Top w0.305: U24.3 31.55,2.93 C77.1 30.78,1.48 31.25,1 36.58,1 37.58,2 J12.1
  Bottom w0.305: J11.19 42.38,3.66 J12.1
GND: length 260.2
  Top w0.152: U5.C1 U5.C2 ; U5.C2 U5.C3 ; U5.C2 U5.B2 U5.B3 ; U5.B3 U5.B4 U5.C4 U5.C3 ; U5.B3 U5.C3 ; C53.2 58.75,50.28 v1(59.75,51.28) ; U14.2 24.66,33.64 24.3,33.28 24.3,31.45 24.66,31.1 U14.4 ; R67.2 89.44,0.97 arc(89.45,0.97) v1(89.45,0.98) ; U14.3 v1(24.3,32.37) ; C64.1 v1(14.93,2.36) ; 14.85,6.03 14.93,6.03 ; 14.85,6.03 SW2.1 ; 14.85,6.03 SW3.1 ; 77.85,53.11 v1(77.85,54.16) ; C52.1 26.61,36.22 v1(26.6,36.23) ; Y1.4 61.1,48.73 C55.2 64.25,50.2 C54.2 v1(63.25,51.28) ; R41.2 v1(17.3,39.28) ; v1(67.2,27.2) U26.3 U26.8 v1(67.2,24.91) ; SW4.1 v1(25.45,6.03) ; v1(25.45,6.03) SW4.1 ; v1(25.45,6.03) 25.58,6.03 ; C67.1 v1(21.93,2.38) ; C60.1 v1(8.25,2.36) ; R68.2 89.44,3.97 arc(89.45,3.96) v1(89.45,3.95)
  Top w0.254: R20.2 v1(95.67,53.97) 95.68,53.98 ; BZ1-PY3.3 v1(95.88,30.88) ; v1(19.45,35.36) 19.47,35.34 U19.8 ; 61.35,57.63 v1(61.05,57.63) ; C62.1 v1(19.33,26.11) ; v1(90.3,28.18) Q5.2 91.91,28.18 C75.2
  Top w0.305: U1.7 43.5,60.6 U1.9 ; 35.15,61.95 36.12,62.92 36.12,63.5 36.58,63.95 37.48,63.95 38.1,63.33 C2.2 ; U3.2 45.03,57.76 44.85,57.93 ; v1(72.85,15.81) C78.1 70.67,15.81 69.6,16.88 R74.1 67.43,16.88 ; S1.8 38.67,20 v1(38.68,20) 41.08,20 41.53,20.45 C81.2 ; J5-PB1.2 41.18,48.95 R52.1 ; 78.12,41.78 v1(77.8,41.46) 77.8,41.43 R1.2 ; 55.53,58.33 55.15,58.33 54.81,57.99 U4.2 ; 55.53,58.33 57.97,58.33 ; 55.53,58.33 56.88,59.68 U2.9 56.48,59.96 U2.7 ; v1(83.03,12.18) 82.53,11.68 U23.8 U23.3 ; v1(81.43,33.68) C99.2 C97.2 ; R80.2 80.43,31.16 ; 80.43,31.16 v1(80.43,31.08) ; 80.43,31.16 R78.2 ; R53.1 41.17,36.34 J6-PB0.2 ; C80.1 v1(57.93,15.28) ; S1.13 38.67,23.5 39.6,24.43 v1(39.68,24.43) 40.9,24.43 41.53,23.81 C82.2 ; Q6.2 v1(46.7,23.06) ; C12.2 v1(41.08,52.36) ; v1(57.85,53.38) 57.85,53.73 C15.2
  Top w0.61: J9.A12 v1(85.47,8.58) v1(85.47,9.16) ; v1(26.4,48.08) R34.2 v1(27.15,48.86) 27.75,48.86 C28.2 ; 6.46,60.72 6.45,60.71 U9.1 6.45,45.83 5.3,44.68 U9.9 ; C20.2 v1(24.9,46.53) R31.1 v1(24.9,47.98) ; C21.2 21.83,51.98 v1(22.59,51.22) ; 23.33,50.48 24.08,51.23 v1(24.25,51.23) ; J9.A1 v1(79.08,8.58) v1(79.08,9.16) ; v1(26.1,51.23) U6.2
  Top w0.762: U9.9 4.43,44.81 R39.1 R36.1
  In2.Cu w0.152: v1(77.85,54.16) 77.58,54.43 77.58,76.61 75.1,79.08 33.2,79.08 C3.2
  In2.Cu w0.254: v1(95.67,53.97) 95.62,54.02 arc(94.88,55.13) 94.62,56.43 94.62,59.38 arc(94.78,60.17) 95.22,60.83 95.31,60.91 arc(95.94,61.33) 96.68,61.48 J4.1
  Bottom w0.152: U15.2 v1(52.23,67.45)
  Bottom w0.305: v1(67.2,27.2) 67.28,27.2 68.45,28.38 C102.2 C95.2 ; C56.2 v1(65.93,46.75) ; C96.2 v1(61.58,39.48) ; C92.2 64.42,44.35 64.42,42.94 v1(64.43,42.93) ; C104.2 v1(57,34.48) ; C100.2 v1(61.58,38) ; C103.2 v1(57.6,41.98) ; v1(65.97,32.48) 65.95,32.45 C90.2 ; v1(72.12,46.41) 71.65,45.93 C105.2 ; C98.2 C94.2 v1(62.45,43.36) ; C87.2 v1(62.95,32.48) ; C83.2 v1(76.15,34.48) ; C101.2 v1(64.43,27.2) ; C91.2 v1(72.93,43.48)
  Bottom w0.508: 39.8,57.16 39.83,57.13 ; C61.2 19.87,13.28 U20.1
  vias: v1(14.95,6.03) v1(16.9,50.53) v1(16.9,48.53) v1(17.73,38.63) v1(18.33,38.63) v1(18.33,38.03) v1(21.05,45.93) v1(21.05,45.28) v1(25.68,40.43) v1(25.98,40.91) v1(25.98,39.95) v1(64.7,39.73) v1(64.7,35.23) v1(66.95,37.48) v1(69.2,39.73) v1(69.2,35.23) v1(78.22,41.86) v2(9.55,49.28) v2(21.15,55.33) v2(28.05,40.93) v2(30.65,44.73)
GNDA: length 59.4
  Top w0.254: U27.2 88.61,48.13 88.29,47.81 v1(88.29,47.48) ; C49.2 97.21,50.49 v1(97.2,50.5) ; v1(88.91,44.11) 89.76,44.11 C108.2 ; C107.2 89.76,45.58 v1(88.91,45.58) ; v1(75.25,50.56) 74.95,50.86 D13.2 ; D15.2 92.79,50.37 v1(92.8,50.36) ; v1(94.03,48.75) 94.7,48.75 94.96,49.02 U13.2 ; v1(76.2,48.75) 76.88,48.75 77.12,49 U12.2 77.12,50.66 77.37,50.9 79.13,50.9 79.38,50.66 C48.2 ; U11.3 v1(80.65,47.48) ; U27.4 88.61,46.83 88.29,47.16 v1(88.29,47.48) ; v1(88.29,47.48) U27.3 ; U11.2 80.97,48.13 80.65,47.81 80.65,47.16 80.97,46.83 U11.4
  Top w0.305: C46.2 v1(87.22,49.53) ; v1(85.02,39.81) 85.02,39.8 84.85,39.8 ; v1(85.02,39.81) U8.3 ; v1(85.02,39.81) arc(84.04,39.61) 83.21,39.06 arc(83.2,39.09) 83.16,39.11 C29.2 ; GNDA.1 77.43,42.7 R1.1 ; U16.38 78.58,37.48 arc(78.68,37.5) 78.76,37.56 arc(78.29,37.87) 77.74,37.98 ; C45.2 v1(85.75,50.33) ; 74.62,37.98 77.74,37.98 ; 77.74,37.98 77.93,37.98 v1(77.95,37.96) ; C27.2 81.69,39 arc(81.7,39.04) 81.74,39.06
  Top w0.356: 81.55,42.8 81.16,42.8 arc(80.15,43.01) C24.2 ; 81.55,42.8 v1(81.4,42.8) ; 81.55,42.8 v1(82,42.8) 83.18,42.8 U7.2 arc(84,42.96) 84.67,43.41 C23.2
  Bottom w0.305: v1(77.95,37.96) arc(77.93,37.84) 77.86,37.74 v1(77.6,37.48) 73.85,37.48 arc(73.78,37.47) C84.2
  Bottom w0.508: C47.2 69.18,49.91 v1(69.18,49.83) ; C51.2 72.1,49.91 v1(72.1,49.83) ; v1(70.65,49.83) 70.65,49.91 C109.2 ; v1(67.7,49.83) 67.7,49.9 C50.2
  vias: v4(75.22,49.18)
